# Altium PCB Fri3D_2020_GameOn_01.PcbDoc
Units mm, origin at the board's own origin, x right, y up, seen from the top; angles counter-clockwise.
Board outline 90 x 50 mm, 2 copper layers (Top Layer, Bottom Layer), stack 1.571 mm thick; 33 components, 31 nets, 188 pads, 26 vias.
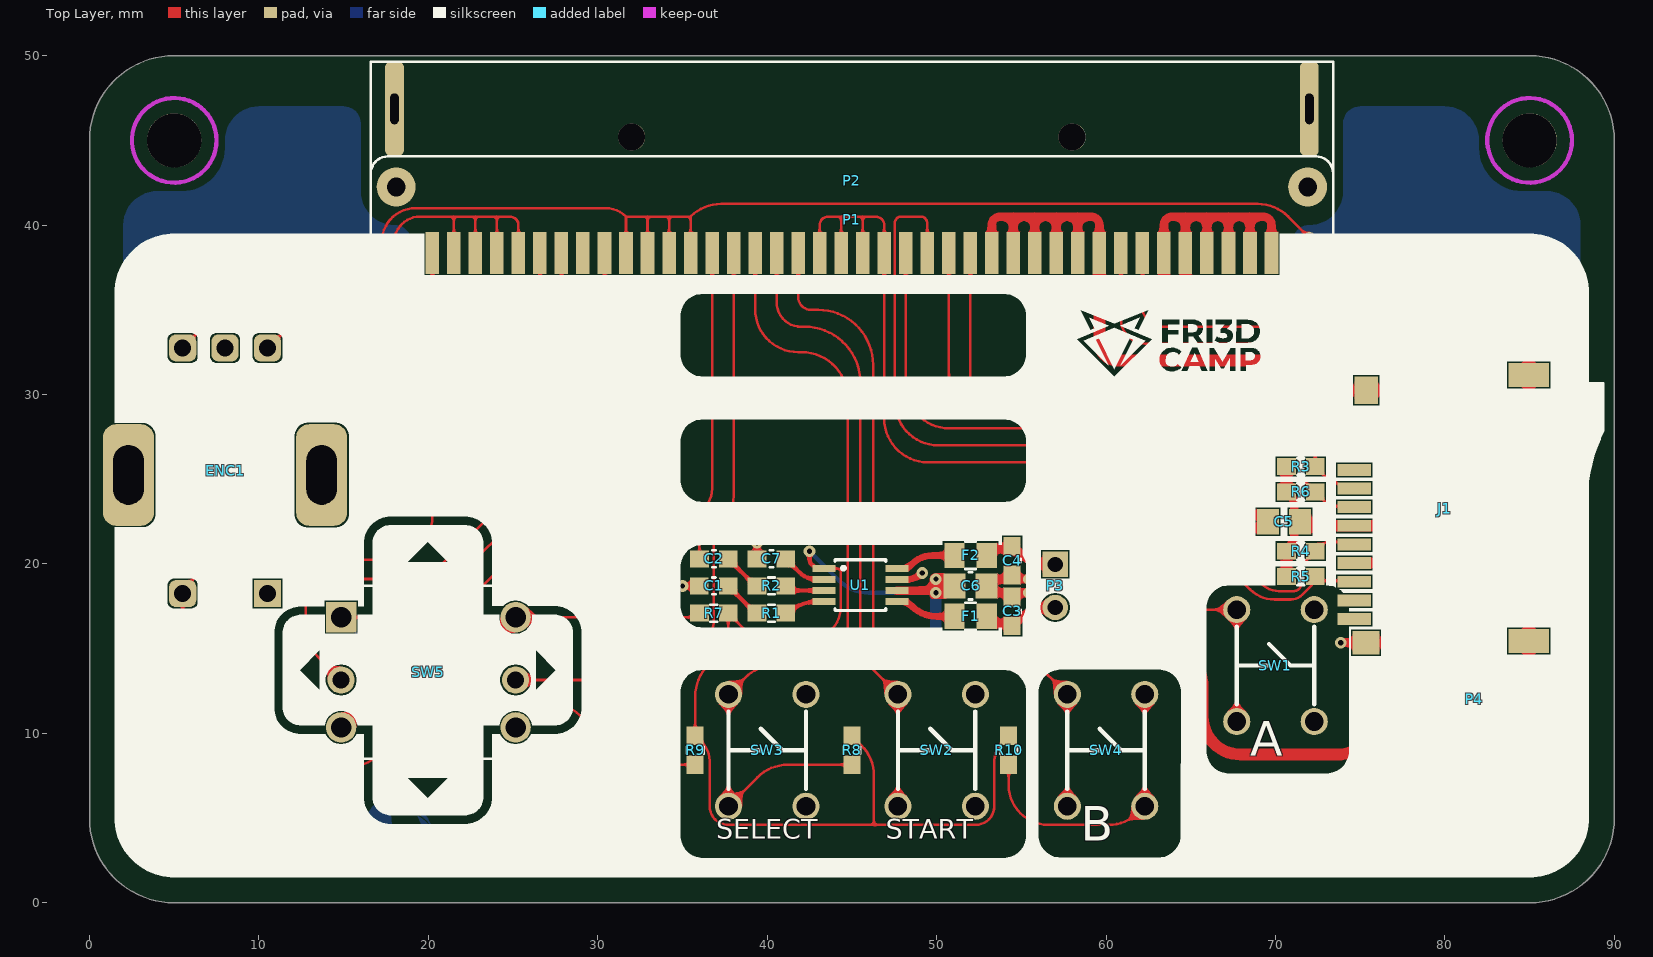
[diagram p0: Top Layer view]
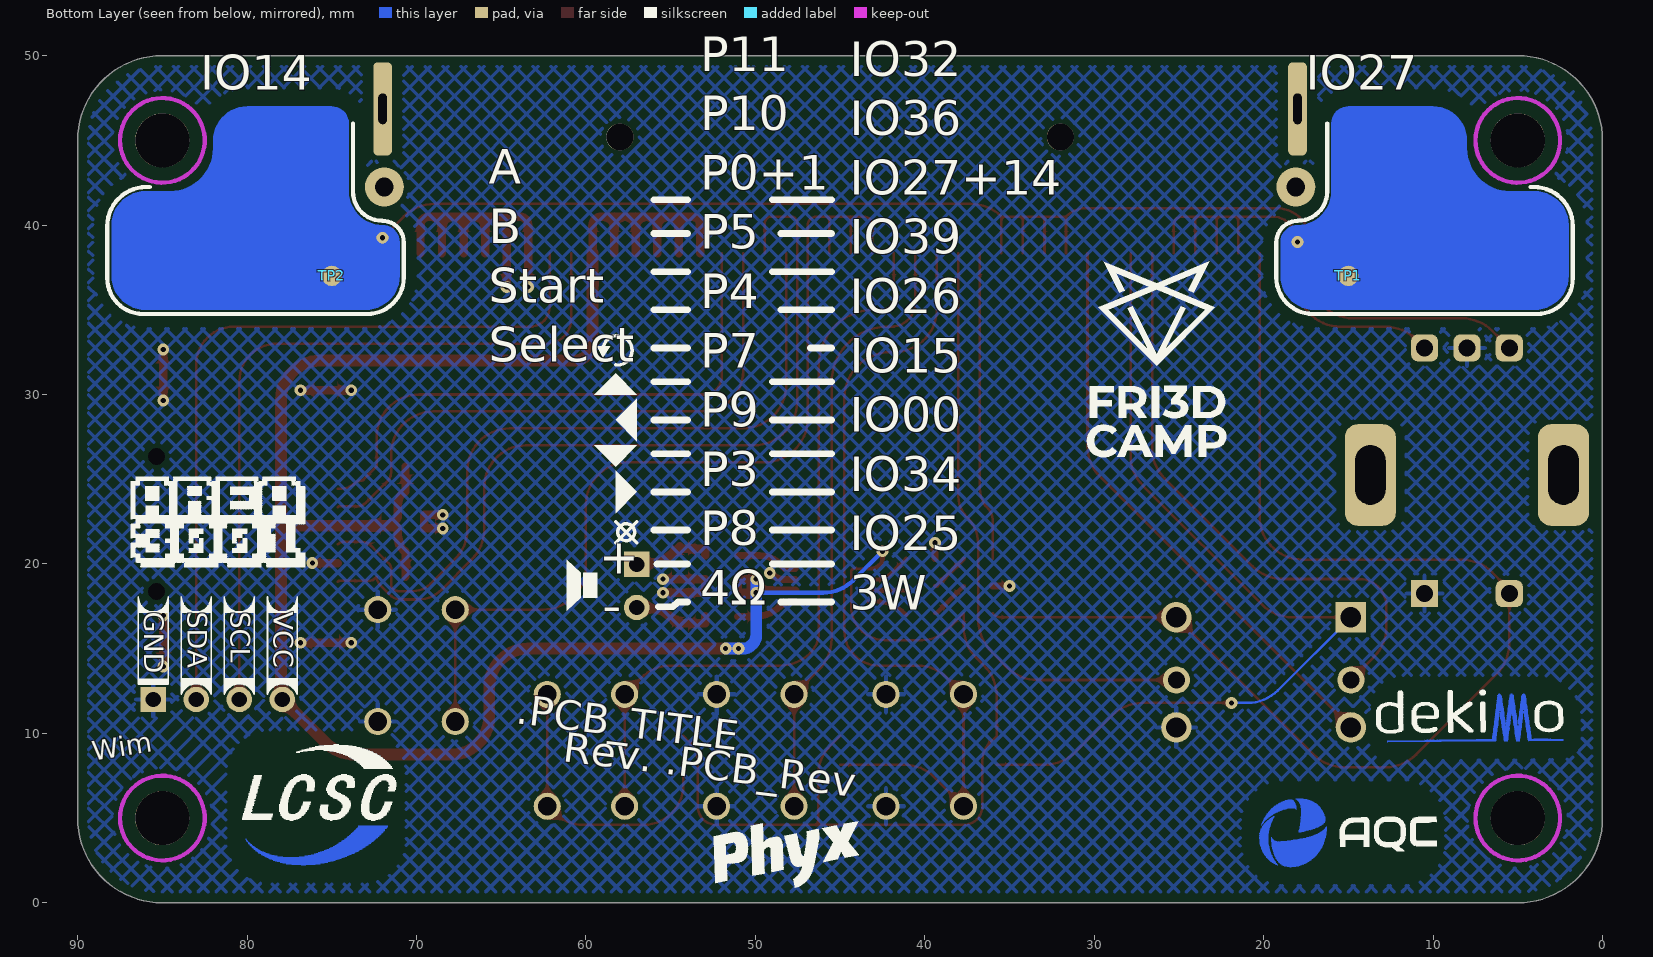
[diagram p1: Bottom Layer view, seen from below]
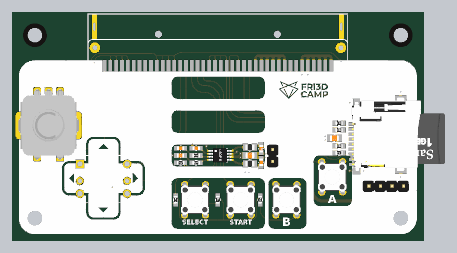
[diagram p2: 3D render of the assembled board from above, using the file's embedded part models]

## Layer stack, top to bottom
Top Solder: solder mask 0.0102, Solder Resist, Dk 3.5
Top Layer: signal copper 0.0356
Dielectric1: core 1.5, FR-4, Dk 4.8
Bottom Layer: signal copper 0.0356
Bottom Solder: solder mask 0.0102, Solder Resist, Dk 3.5

## Board outline
0,5 0,45 cw(c5,45) 5,50 85,50 cw(c85,45) 90,45 90,5 cw(c85,5) 85,0 5,0 cw(c5,5)

## Design rules (kind name [scope] priority, off if disabled: settings)
BoardOutlineClearance [NOT OnLayer('Top Overlay') AND NOT OnLayer('Bottom Overlay') AND NOT IsText AND NOT WithinRoom('Fri3d_2020_Time_Blaster_00')] p1: gap=0.5 ignorepadtopadclearanceinfootprint=FALSE except(0: Arc-SplitContinuation Track-SplitContinuation SMDPad-SplitContinuation THPad-SplitContinuation Via-SplitContinuation Fill-SplitContinuation Poly-SplitContinuation Region-SplitContinuation Text-SplitContinuation; 0.3: SMDPad-OutlineEdge; 0.4: THPad-OutlineEdge)
Clearance [All] p1: gap=0.15 ignorepadtopadclearanceinfootprint=FALSE except(0: Arc-Hole Track-Hole SMDPad-Hole THPad-Hole Via-Hole Fill-Hole Poly-Hole Region-Hole Text-Hole; 0.25: Arc-Poly Track-Poly SMDPad-Poly THPad-Poly Via-Poly Fill-Poly; 1: Poly-Region; 1.1: Poly-Poly)
ComponentClearance ComponentClearance_TP [HasFootprint('TP_2x3mm')] p1: gap=0 collisioncheckmode=3 verticalgap=0 showdistances=FALSE
ComponentClearance [All] p2: gap=0.25 collisioncheckmode=3 verticalgap=0.25 showdistances=FALSE
Height [All] p1: minheight=0 maxheight=100 prefheight=12.7
HoleSize [All] p1: absolutevalues=TRUE maxlimit=10 minlimit=0.025 maxpercent=80.000 minpercent=20.000
PolygonConnect PolygonConnect_VIA [IsVia] p1: connectstyle=Direct reliefconductorwidth=0.254 reliefentries=4 polygonreliefangle="90 Angle" airgapwidth=0.254
PolygonConnect [All] p2: connectstyle=Relief reliefconductorwidth=0.254 reliefentries=4 polygonreliefangle="90 Angle" airgapwidth=0.254
RoutingVias [All] p1: holewidth=0.3 width=0.7 viastyle="Through Hole" minholewidth=0.3 minwidth=0.2 maxholewidth=0.6 maxwidth=1.2
SilkToSolderMaskClearance SilkscreenOverComponentPads [IsPad] p1: minsilkscreentomaskgap=0.25 clearancetoexposedcopper=TRUE
SolderMaskExpansion [All] p1: expansion=0.05 istentingtop=FALSE
Width [All] p1: maxlimit=5 minlimit=0.15 preferedwidth=0.25
26 further rules are at their usual default settings.

## Classes and differential pairs
net class POWER: 3V3_AUX GND

## Components (designator, comment, footprint, x,y, rotation, side; value= is the part's Value field where it differs from the comment)
C1 "CAP_CERAMIC" C0603_N 36.847,18.7 r180 top value="100nF 50V"
C2 "CAP_CERAMIC" C0603_N 36.85,20.3 r180 top value="100nF 50V"
C3 "CAP_CERAMIC" C0603_N 54.45,17.2 r90 top value="1nF 16V"
C4 "CAP_CERAMIC" C0603_N 54.45,20.2 r270 top value="1nF 16V"
C5 "CAP_CERAMIC" C0805_N 70.5,22.5 r180 top value="10uF 10V"
C6 "CAP_CERAMIC" C0805_N 52,18.7 r0 top value="10uF 10V"
C7 "CAP_CERAMIC" C0603_N 40.25,20.3 r180 top value="1uF 50V"
ENC1 "Rotary Encoder with Switch" PEC11-4215F-S0024 8,25.25 r180 top value=PEC11-4215F-S0024
F1 "FERRITE" L0805 52,16.9 r0 top value="2A 0R1"
F2 "FERRITE" L0805 52,20.5 r0 top value="2A 0R1"
J1 "Micro SD PiPo Push-Push" TFP09-2-12B 80,23.25 r90 top value=TFP09-2-12B
P1 "MicroBit 90deg connector Cylconn" MicroBIT_CYLCONN_SMD_90 20.235,38.35 r0 top
P2 "MicroBit 180deg connector Cylconn" MicroBIT_CYLCONN_SMD_180 20.235,38.35 r0 top
P3 "Header 2" HDR1X2 57,19.97 r270 top
P4 "Header 4" HDR1X4 85.54,12 r180 top
R1 "RESISTOR" R0603_N 40.25,17.1 r0 top value=10K
R2 "RESISTOR" R0603_N 40.25,18.7 r0 top value=10K
R3 "RESISTOR" R0603_N 71.5,25.75 r0 top value=10K
R4 "RESISTOR" R0603_N 71.5,20.75 r0 top value=10K
R5 "RESISTOR" R0603_N 71.5,19.25 r0 top value=10K
R6 "RESISTOR" R0603_N 71.5,24.25 r0 top value=10K
R7 "RESISTOR" R0603_N 36.85,17.1 r180 top value=10K
R8 "RESISTOR" R0603_N 45,9 r270 top value=10K
R9 "RESISTOR" R0603_N 35.75,9 r270 top value=10K
R10 "RESISTOR" R0603_N 54.25,9 r270 top value=10K
SW1 "Default TH TACT" TACTSW 70,14 r0 top
SW2 "Default TH TACT" TACTSW 50,9 r0 top
SW3 "Default TH TACT" TACTSW 40,9 r0 top
SW4 "Default TH TACT" TACTSW 60,9 r0 top
SW5 "5Way Tact switch" TACTSW_5W_K1-1506DN-01 20,13.6 r0 top value=K1-1506DN-01
TP1 "TEST_PAD" TP_1.2mm 15,37 r180 bottom value="NO BOM"
TP2 "TEST_PAD" TP_1.2mm 75,37 r180 bottom value="NO BOM"
U1 "5W Class D mono amplifier inducter-less Differential input MSOP8" MAX_uSOP8 45.5,18.75 r0 top value=NS4150B

## Footprints (in the part's own frame and the unit in brackets; to place one, negate y for a bottom-side part, rotate by r counter-clockwise, add the part's x,y. Pads: shape width x height; smd on the part's side, far side on the other; paste and mask are expansions set on the pad)
C0603_N [mm] "Low density"
  rect 1.1x1 smd: 1(-0.85,0) 2(0.85,0)
  silkscreen extent -0.1,-0.5 0.1,0.5, body extent -0.8,-0.4 0.8,0.4, height 0.3
C0805_N [mm] "Low density"
  rect 1.3x1.5 smd: 1(-0.95,0) 2(0.95,0)
  silkscreen extent -0.1,-0.8 0.1,0.8, body extent -1,-0.62 1,0.63, height 0.78
HDR1X2 [mm] "Connector; Header; 2 Position"
  rect 1.5x1.5 hole 0.9: 1(0,0)
  round 1.5 hole 0.9: 2(2.54,0)
  body extent -1.17,-1.25 3.91,1.25, height 8.2
HDR1X4 [mm] "Connector; Header; 4 Position"
  rect 1.5x1.5 hole 0.9: 1(0,0)
  round 1.5 hole 0.9: 2(2.54,0) 3(5.08,0) 4(7.62,0)
  body extent -1.27,-1.23 8.89,1.27, height 8.2
L0805 [mm]
  rect 1.2x1.5 smd: 1(-0.95,0) 2(0.95,0)
  silkscreen extent -0.3,-0.8 0.3,0.8, body extent -1,-0.6 1,0.6, height 0.95
MAX_uSOP8 [mm]
  rect 1.35x0.4 smd paste-5: 1(-2.15,0.975) 2(-2.15,0.325) 3(-2.15,-0.325) 4(-2.15,-0.975) 5(2.15,-0.975) 6(2.15,-0.325) 7(2.15,0.325) 8(2.15,0.975)
  silkscreen extent -1.5,-1.5 1.5,1.5, body extent -2.52,-1.55 2.52,1.55, height 1.1
MicroBIT_CYLCONN_SMD_90 [mm]
  rect 0.8x2.5 smd: 1(0,0) 2(1.27,0) 3(2.54,0) 4(3.81,0) 5(5.08,0) 6(6.35,0) 7(7.62,0) 8(8.89,0) 9(10.16,0) 10(11.43,0) 11(12.7,0) 12(13.97,0) 13(15.24,0) 14(16.51,0) 15(17.78,0) 16(19.05,0) 17(20.32,0) 18(21.59,0) 19(22.86,0) 20(24.13,0) 21(25.4,0) 22(26.67,0) 23(27.94,0) 24(29.21,0) 25(30.48,0) 26(31.75,0) 27(33.02,0) 28(34.29,0) 29(35.56,0) 30(36.83,0) 31(38.1,0) 32(39.37,0) 33(40.64,0) 34(41.91,0) 35(43.18,0) 36(44.45,0) 37(45.72,0) 38(46.99,0) 39(48.26,0) 40(49.53,0)
  round 2.3 hole 1.1: M1(51.665,3.9) M2(-2.135,3.9)
  silkscreen extent -3.63,-1.04 53.17,5.7, body extent -3.63,-0.3 53.17,5.7, height 10.6
MicroBIT_CYLCONN_SMD_180 [mm]
  round 1.6 hole 1.6 unplated: 0(11.765,6.85) 0(37.765,6.85)
  rect 0.8x2.5 smd: 1(0,0) 2(1.27,0) 3(2.54,0) 4(3.81,0) 5(5.08,0) 6(6.35,0) 7(7.62,0) 8(8.89,0) 9(10.16,0) 10(11.43,0) 11(12.7,0) 12(13.97,0) 13(15.24,0) 14(16.51,0) 15(17.78,0) 16(19.05,0) 17(20.32,0) 18(21.59,0) 19(22.86,0) 20(24.13,0) 21(25.4,0) 22(26.67,0) 23(27.94,0) 24(29.21,0) 25(30.48,0) 26(31.75,0) 27(33.02,0) 28(34.29,0) 29(35.56,0) 30(36.83,0) 31(38.1,0) 32(39.37,0) 33(40.64,0) 34(41.91,0) 35(43.18,0) 36(44.45,0) 37(45.72,0) 38(46.99,0) 39(48.26,0) 40(49.53,0)
  rrect50% 1.1x5.5 hole 0.5 slot 1.8 at 90 deg: M1(51.765,8.51) M2(-2.235,8.51)
  silkscreen extent -3.63,-1.04 53.17,11.3, body extent -3.63,0.7 53.17,11.3, height 10.2
PEC11-4215F-S0024 [mm] "PEC11-4215F-S0024"
  rect 1.6x1.6 hole 1: 1(-2.5,7)
  rrect50% 1.6x1.6 hole 1: 2(2.5,7) A(-2.5,-7.5) B(2.5,-7.5) C(0,-7.5)
  rrect50% 3x6 hole 1.8 slot 3.5 at 90 deg: MH1(-5.7,0) MH2(5.7,0)
  body extent -7,-7.7 7,7.2, height 26.6
R0603_N [mm] "Low density"
  rect 1.1x1 smd: 1(-0.85,0) 2(0.85,0)
  silkscreen extent -0.2,-0.5 0.2,0.5, body extent -0.8,-0.41 0.8,0.41, height 0.45
TACTSW [mm]
  round 1.6 hole 1.1: 1(-2.286,-3.302) 1(-2.286,3.302) 2(2.286,-3.302) 2(2.286,3.302)
  silkscreen extent -2.29,-2.29 2.29,2.29, body extent -3.1,-3.95 3.1,3.95, height 4.31
TACTSW_5W_K1-1506DN-01 [mm] "5W TH TACT SW"
  rect 1.8x1.8 hole 1.2: 1(-5.15,3.25)
  round 1.6 hole 1: 2(-5.15,-0.45) 5(5.15,-0.45)
  round 1.8 hole 1.2: 3(-5.15,-3.25) 4(5.15,-3.25) 6(5.15,3.25)
  silkscreen extent -5.1,-5.1 5.1,5.1, body extent -5.1,-5.1 5.1,5.1, height 10
TFP09-2-12B [mm] "tfp09-2-12b"
  round 0 hole 1 unplated: 0(-4.88,-5.35) 0(3.1,-5.35)
  rect 0.7x2 smd: 1(2.3,5.35) 2(1.2,5.35) 3(0.1,5.35) 4(-1,5.35) 5(-2.1,5.35) 6(-3.2,5.35) 7(-4.3,5.35) 8(-5.4,5.35) 9(-6.5,5.35)
  rect 1.4x1.6 smd: G1(-7.9,4.65)
  rect 1.4x2.4 smd: G2(-7.8,-4.95) G3(7.9,-4.95)
  rect 1.6x1.4 smd: G4(7,4.65)
  silkscreen extent -7.3,-9.35 7.4,5.15, body extent -7.92,-14.65 8.08,5.9, height 1.95
TP_1.2mm [mm] "1.2mm pad"
  round 1.2 smd mask+0.05: 1(0,0)

## Part data
C1 C2: library part "CAP # 100nF 50V 0603", "Capacitor Ceramic", Supplier Part Number 1=1759122, Supplier 1=Farnell
C3 C4: library part "CAP # 1nF 16V 0603", "Capacitor Ceramic"
C5 C6: library part "CAP # 10uF 10V 0805", "Capacitor Ceramic", Supplier Part Number 1=2320859, Supplier 1=Farnell
C7: library part "CAP # 1uF 50V 0603", "Capacitor Ceramic", Supplier Part Number 1=2112858, Supplier 1=Farnell
ENC1: library part "ENC ROT INC 24-24ppr SW", Supplier Part Number 1=1653380, Supplier 1=Farnell
F1 F2: library part "FER # 600R 2A 0805 0R10", Supplier Part Number 1=1838838, Supplier 1=Farnell
J1: library part "MicroSD TFP09-2-12B Push-Push", "=Description", Supplier Part Number 1=C393941, Supplier 1=LCSC
P1: library part "MicroBit # RA Cylconn", Supplier 1=TaoBao
P2: library part "MicroBit # Cylconn", Supplier 1=TaoBao
P3: library part "Pin Header 2.54mm 2way"
P4: library part "Pin Header 2.54mm 4way"
R1 R2 R3 R4 R5 R6 R7 R8 R9 R10: library part "RES # 10K 0603", Supplier Part Number 1=2502397, Supplier 1=Farnell
SW1 SW2 SW3 SW4: library part "SW TACT"
SW5: library part "SW TACT 5W K1-1506DN-01", Supplier Part Number 1=C145911, Supplier 1=LCSC
TP1 TP2: library part "TP # 1.2mm"
U1: library part "AMP # AUDIO NS4150B", "=Description", Supplier Part Number 1=C189961, Supplier 1=LCSC

## Free pads (board coordinates)
  round 3.2 hole 3.2 unplated mask+1: 11(5,45) 11(5,5) 11(85,5) 11(85,45)

## Via types
v1: diameter 0.7, hole 0.3, Top Layer to Bottom Layer, tented top, 26 vias

## Nets (pads, with @x,y where several pads share a name; then routed paths per layer and width w, separated by ;. In a path a pad name is that pad's centre, name@x,y a point inside that pad or via, vN(x,y) a via of type N, cw(c..) or ccw(c..) an arc to the next point about the centre after c; other vN are vias at no path point)
3V3_AUX: C5.1 C6.1 J1.4 P1.27 P1.28 P1.29 P1.30 P1.31 P1.32 P2.27 P2.28 P2.29 P2.30 P2.31 P2.32 P4.4 R3.1 R4.1 R5.1 R6.1 R7.1 R8.1 R9.1 R10.1 U1.1 U1.6 | length 181.4
  Top Layer w0.15: U1.1 44.139,19.725 cw(c44.139,19.514) 44.35,19.514 44.35,17.5 cw(c42.35,17.5) 42.35,15.5 40.152,15.5 cw(c40.152,17.557) 38.697,16.102 R7.1 37.7,16.252 cw(c35.16,16.252) 36.956,14.456 36.494,13.994 ccw(c38.29,12.198) 35.75,12.198 R9.1 36.176,9.424 cw(c35.151,8.4) 36.6,8.4 36.6,5.7 ccw(c37.7,5.7) 37.7,4.6 46.3,4.6 ; R8.1 45.556,9.294 cw(c43.76,7.498) 46.3,7.498 46.3,4.6 ; R10.1 53.93,9.53 ccw(c55.21,8.25) 53.4,8.25 53.4,5.693 cw(c52.307,5.693) 52.307,4.6 46.3,4.6
  Top Layer w0.25: v1(42.5,20.75) 42.5,20.261 ccw(c42.908,20.261) 42.619,19.972 ccw(c43.216,20.569) 43.216,19.725 U1.1
  Top Layer w0.5: U1.6 49.771,18.425 49.896,18.3 v1(49.95,18.3) 51.05,18.3 C6.1 51.05,19.1 v1(49.95,19.1) ; P2.27 53.255,40.005 cw(c53.75,40.005) 53.75,40.5 54.525,40.5 ; P2.28 54.525,40.5 ; P2.29 55.795,40.5 ; P2.30 57.065,40.5 ; P2.31 58.335,40.5 ; P2.32 59.605,40.005 ccw(c59.11,40.005) 59.11,40.5 58.335,40.5 ; R5.1 R4.1 70.748,20.79 ccw(c69.897,21.641) 71.1,21.641 71.1,22 cw(c71.462,22) 71.206,22.256 C5.1 ; R3.1 R6.1 70.811,24.183 cw(c70.113,23.486) 71.1,23.486 71.1,22.85 ccw(c71.45,22.85) C5.1 ; C5.1@71.45,22.25 C5.1 ; P4.4 ccw(c77.92,12.08) P4.4@78,12.08 ; 54.525,40.5 55.795,40.5 ; 55.795,40.5 57.065,40.5 ; 57.065,40.5 58.335,40.5
  Top Layer w0.7: v1(51,15) v1(51.75,15) 60.04,15 ; P2.32 59.605,33.097 ccw(c60.702,33.097) 60.702,32 75.702,32 cw(c75.702,29.702) 78,29.702 78,22.25 ; 60.043,15 60.04,15 ; C5.1@71.45,22.25 J1.4 78,22.25 ; P4.4 75.414,9.494 cw(c73.618,11.29) 73.618,8.75 69.21,8.75 69.207,8.75 cw(c69.207,12.268) 69.203,8.75 67.942,8.75 cw(c67.942,10.987) 65.705,10.987 65.705,12.72 ccw(c63.425,12.72) 63.425,15 60.04,15 ; P4.4@78,12.08 78,22.25
  Bottom Layer w0.25: v1(42.5,20.75) 44.206,19.044 ccw(c46.002,20.84) 46.002,18.3 v1(49.95,18.3)
  Bottom Layer w0.7: v1(49.95,19.1) v1(49.95,18.3) 49.95,15.8 ccw(c50.75,15.8) 50.75,15 v1(51,15) v1(51.75,15)
Audio_N: R1.2 U1.4 | length 2.5
  Top Layer w0.25: R1.2@41.1,17 41.131,17.031 cw(c42.927,15.235) 42.927,17.775 U1.4
Audio_P: R2.2 U1.3 | length 2.3
  Top Layer w0.25: R2.2@41.1,18.5 41.175,18.425 U1.3
ESP.IO0: P1.15 P2.15 SW5.5 | length 35.5
  Top Layer w0.15: SW5.5 33.348,13.15 ccw(c33.348,15.69) 35.144,13.894 36.006,14.756 ccw(c33.977,16.785) 36.847,16.785 36.847,21.181 cw(c39.057,21.181) 37.494,22.744 37.5,22.75 ccw(c36.257,23.993) 38.015,23.993 P2.15
ESP.IO2: P1.8 P2.8
ESP.IO4: J1.2 P1.26 P2.26 R3.2 | length 34.2
  Top Layer w0.15: P2.26 51.985,31.078 51.985,31.076 ccw(c53.039,31.054) 53.039,30 69.849,30 cw(c69.849,27.499) 72.35,27.499 R3.2 73.13,24.971 ccw(c73.3,25.141) 73.3,24.9 73.359,24.9 cw(c73.359,24.559) 73.6,24.8 ccw(c74.445,25.645) 74.445,24.45 J1.2
ESP.IO12: P1.18 P2.18 SW4.1 | length 44.8
  Top Layer w0.15: P2.18 41.825,35.754 ccw(c42.579,35.754) 42.579,35 43,35 cw(c43,31.75) 46.25,31.75 46.25,15.966 ccw(c47.978,15.966) 46.756,14.744 ccw(c48.552,16.54) 48.552,14 54.964,14 cw(c54.964,11.46) 56.76,13.256 57.714,12.302 SW4.1@57.714,5.698
ESP.IO13: P1.19 P1.20 P1.21 P1.22 P2.19 P2.20 P2.21 P2.22 SW1.1 | length 57.2
  Top Layer w0.15: P2.19 43.095,40.005 cw(c43.59,40.005) 43.59,40.5 44.365,40.5 ; P2.20 44.365,40.5 ; P2.21 45.635,40.5 ; SW1.1@67.714,10.698 67.714,17.302 62.54,17.302 cw(c62.54,19.842) 60,19.842 60,23.499 ccw(c57.499,23.499) 57.499,26 49.484,26 cw(c49.484,28.579) 46.905,28.579 P2.22 46.905,40.005 ccw(c46.41,40.005) 46.41,40.5 45.635,40.5 ; 44.365,40.5 45.635,40.5
ESP.IO14: ENC1.B P1.10 P1.11 P1.12 P1.13 P2.10 P2.11 P2.12 P2.13 TP2.1 | length 81.3
  Top Layer w0.15: ENC1.B 6.506,33.756 cw(c8.302,31.96) 8.302,34.5 14.71,34.5 ccw(c14.71,37.04) 17.25,37.04 17.25,39 cw(c19.25,39) 19.25,41 30.458,41 cw(c30.458,39.293) 31.665,40.5 ; P2.10 31.665,40.5 ; P2.11 32.935,40.5 ; P2.12 34.205,40.5 ; P2.13 35.475,40.5 ; v1(72,39.25) 70.744,40.506 ccw(c68.948,38.71) 68.948,41.25 37.277,41.25 ccw(c37.277,38.71) 35.481,40.506 35.475,40.5 ; 31.665,40.5 32.935,40.5 ; 32.935,40.5 34.205,40.5 ; 34.205,40.5 35.475,40.5
ESP.IO15: P1.9 P2.9 SW5.3 | length 34.3
  Top Layer w0.15: SW5.3 29.651,25.151 ccw(c27.855,26.947) 30.395,26.947 P2.9
ESP.IO25: C2.2 P1.14 P2.14 | length 18.2
  Top Layer w0.15: C2.2 36,22.647 cw(c36.853,22.647) 36.25,23.25 ccw(c35.055,24.445) 36.745,24.445 P2.14
ESP.IO26: P1.6 P2.6 SW5.2 | length 35
  Top Layer w0.15: SW5.2 13.494,14.506 cw(c15.29,16.302) 12.75,16.302 12.75,17.5 cw(c14.361,17.5) 14.361,19.111 18.853,19.111 ccw(c18.853,21.651) 20.649,19.855 25.841,25.047 ccw(c24.045,26.843) 26.585,26.843 P2.6
ESP.IO27: ENC1.A P1.2 P1.3 P1.4 P1.5 P2.2 P2.3 P2.4 P2.5 TP1.1 | length 28.4
  Top Layer w0.15: ENC1.A 11.006,33.256 cw(c12.802,31.46) 12.802,34 15.46,34 ccw(c15.46,36.54) 18,36.54 v1(18,39) cw(c19.5,39) 19.5,40.5 22.775,40.5 ; P2.2 21.505,40.5 ; P2.3 22.775,40.5 ; P2.4 24.045,40.5 ; P2.5 25.315,40.005 ccw(c24.82,40.005) 24.82,40.5 24.045,40.5 ; 22.775,40.5 24.045,40.5
ESP.IO32: P1.17 P2.17 SW2.1 | length 36.4
  Top Layer w0.15: P2.17 40.555,35.445 ccw(c42,35.445) 42,34 42.21,34 cw(c42.21,30.71) 45.5,30.71 45.5,15.568 ccw(c48.04,15.568) 46.244,13.772 47.714,12.302 SW2.1@47.714,5.698
ESP.IO34: ENC1.2 P1.1 P2.1 R7.2 SW5.6 | length 73.1
  Top Layer w0.15: P2.1 20.235,22.79 cw(c17.695,22.79) 17.695,20.25 8.302,20.25 ccw(c8.302,17.71) 6.506,19.506 5.5,18.5 ENC1.2 5.5,15.302 ccw(c8.04,15.302) 6.244,13.506 11.006,8.744 ccw(c12.802,10.54) 12.802,8 15.248,8 ccw(c15.248,10.54) 17.044,8.744 SW5.6 35.538,16.85 ccw(c35.538,17.362) 35.9,17 R7.2
ESP.IO36: P1.16 P2.16 R8.2 SW3.1 | length 49.1
  Top Layer w0.15: P2.16 39.285,35.04 ccw(c41.825,35.04) 41.825,32.5 42.029,32.5 cw(c42.029,29.779) 44.75,29.779 44.75,16.05 cw(c42.7,16.05) 42.7,14 40.432,14 ccw(c40.432,11.538) 38.691,13.279 37.714,12.302 37.714,5.698 39.422,7.406 cw(c41.218,5.61) 41.218,8.15 R8.2
ESP.IO39: P1.7 P2.7 R9.2 SW5.1 | length 53.5
  Top Layer w0.15: SW5.1 18.298,16.85 ccw(c18.298,19.39) 20.094,17.594 27.111,24.611 ccw(c25.315,26.407) 27.855,26.407 P2.7 ; v1(21.9,11.8) 27.148,11.8 cw(c27.148,9.26) 28.944,11.056 31.106,8.894 ccw(c32.902,10.69) 32.902,8.15 R9.2
  Bottom Layer w0.15: SW5.1 19.156,12.544 ccw(c20.952,14.34) 20.952,11.8 v1(21.9,11.8)
GND: C1.2 C3.2 C4.2 C5.2 C6.2 C7.2 ENC1.1 ENC1.C J1.6 J1.G1 J1.G2 J1.G3 J1.G4 P1.35 P1.36 P1.37 P1.38 P1.39 P1.40 P2.35 P2.36 P2.37 P2.38 P2.39 P2.40 P4.1 SW1.2 SW2.2 SW3.2 SW5.4 U1.7 | length 48.7
  Top Layer w0.4: v1(35,18.7) C1.2 ; C7.2 v1(39.4,21.25) ; U1.7 48.184,19.075 ccw(c48.184,20.441) v1(49.15,19.475)
  Top Layer w0.5: v1(55.45,18.3) 52.95,18.3 C6.2 52.95,19.1 v1(55.45,19.1) ; v1(63.415,36.35) P2.35 63.415,40.005 cw(c63.91,40.005) 63.91,40.5 64.685,40.5 ; v1(64.685,36.35) P2.36 64.685,40.5 ; P2.37 65.955,40.5 ; P2.38 67.225,40.5 ; v1(68.45,22.1) 69.55,22.1 C5.2 69.55,22.9 v1(68.45,22.9) ; P2.39 68.495,40.5 ; P2.40 69.765,40.005 ccw(c69.27,40.005) 69.27,40.5 68.495,40.5 ; v1(73.85,15.35) J1.G1 v1(76.85,15.35) ; v1(73.85,30.25) J1.G4 v1(76.85,30.25) ; J1.6 v1(76.15,20.05) ; v1(84.95,13.95) J1.G2 v1(84.95,16.95) ; v1(84.95,29.65) J1.G3 v1(84.95,32.65) ; 64.685,40.5 65.955,40.5 ; 65.955,40.5 67.225,40.5 ; 67.225,40.5 68.495,40.5
I2C.SCL: P1.33 P2.33 P4.3 | length 44.4
  Top Layer w0.15: P2.33 60.875,34.442 ccw(c62.317,34.442) 62.317,33 78.237,33 cw(c78.237,30.777) 80.46,30.777 P4.3
I2C.SDA: P1.34 P2.34 P4.2 | length 45.7
  Top Layer w0.15: P2.34 62.145,35.172 ccw(c63.317,35.172) 63.317,34 80.777,34 cw(c80.777,31.777) 83,31.777 P4.2
NetC1_1: C1.1 R1.1 | length 2.4
  Top Layer w0.25: C1.1 39.297,17.1 R1.1
NetC2_1: C2.1 R2.1 | length 2.4
  Top Layer w0.25: C2.1 39.3,18.7 R2.1
NetC7_1: C7.1 U1.2 | length 2.7
  Top Layer w0.25: C7.1 41.9,19.5 ccw(c42.926,20.527) 42.926,19.075 U1.2
NetR10_2: R10.2 SW4.2 | length 17.5
  Top Layer w0.15: R10.2 54.25,6.95 ccw(c56.6,6.95) 56.6,4.6 60.136,4.6 ccw(c60.136,7.14) 61.932,5.344 62.286,5.698 SW4.2@62.286,12.302
SD.CLK: J1.5 P1.23 P2.23 R4.2 | length 44.4
  Top Layer w0.15: P2.23 48.175,30.579 ccw(c50.754,30.579) 50.754,28 64.499,28 cw(c64.499,25.499) 67,25.499 67,22.052 ccw(c69.54,22.052) 67.744,20.256 69.176,18.824 ccw(c70.2,19.849) 70.2,18.4 71.1,18.4 ccw(c71.1,18.8) 71.5,18.8 71.5,19.7 cw(c71.983,19.7) 71.641,20.041 R4.2 72.688,21.088 cw(c73.2,20.576) 73.2,21.3 74.288,21.3 cw(c74.288,20.788) J1.5
SD.DI: J1.3 P1.25 P2.25 R6.2 | length 35.7
  Top Layer w0.15: P2.25 50.715,31.385 ccw(c53.1,31.385) 53.1,29 68.999,29 cw(c68.999,26.499) 71.5,26.499 71.5,25.4 ccw(c72.224,25.4) 71.712,24.888 R6.2 72.988,23.612 ccw(c73.5,24.124) 73.5,23.4 74.529,23.4 cw(c74.529,23.229) J1.3
SD.DO: J1.7 P1.24 P2.24 R5.2 | length 50
  Top Layer w0.15: P2.24 49.445,40.105 ccw(c49.05,40.105) 49.05,40.5 47.9,40.5 ccw(c47.9,40.134) 47.534,40.134 47.534,29.579 ccw(c50.112,29.579) 50.112,27 63.539,27 cw(c63.539,24.539) 66,24.539 66,22.052 ccw(c68.54,22.052) 66.744,20.256 68.5,18.5 ccw(c69.949,19.949) 69.949,17.9 70.9,17.9 ccw(c70.9,18.866) 71.583,18.183 72.138,18.738 ccw(c71.626,19.25) R5.2 72.459,19.141 ccw(c72.8,19.482) 72.8,19 74.529,19 cw(c74.529,18.829) J1.7
SPK_N: C3.1 F1.2 P3.2 | length 4.9
  Top Layer w0.5: F1.2 52.95,16.5 54.45,16.5 C3.1 54.786,16.686 cw(c56.582,14.89) 56.582,17.43 P3.2
SPK_P: C4.1 F2.2 P3.1 | length 4.9
  Top Layer w0.5: F2.2 52.95,20.9 54.45,20.9 C4.1 54.786,20.714 ccw(c56.582,22.51) 56.582,19.97 P3.1
Vo_N: F1.1 U1.5 | length 3.6
  Top Layer w0.4: U1.5 47.886,17.775 cw(c47.886,16.836) 48.55,17.5 ccw(c49.999,18.949) 49.999,16.9 F1.1
Vo_P: F2.1 U1.8 | length 3.6
  Top Layer w0.4: U1.8 47.886,19.725 ccw(c47.886,20.664) 48.55,20 cw(c49.757,18.793) 49.757,20.5 F2.1
pads on no net: ENC1.MH1 ENC1.MH2 J1.0 J1.1 J1.8 J1.9 P1.M1 P1.M2 P2.0 P2.M1 P2.M2

## Polygon pours and split planes (outlines as drawn)
no net on Top Overlay "NONET_L-01_P-001" (solid): 16.708,6.235 16.708,10.468 12.474,10.468 cw(c12.474,11.526) 11.726,10.778 cw(c12.474,11.526) 11.416,11.526 11.416,15.936 cw(c12.474,15.936) 11.726,16.685 cw(c12.474,15.936) 12.474,16.995 16.708,16.995 16.708,21.228 cw(c17.766,21.228) 17.018,21.976 cw(c17.766,21.228) 17.766,22.286 22.176,22.286 cw(c22.176,21.228) 22.924,21.976 cw(c22.176,21.228) 23.234,21.228 23.234,16.995 27.467,16.995 cw(c27.467,15.936) 28.216,16.685 cw(c27.467,15.936) 28.526,15.936 28.526,11.526 cw(c27.467,11.526) 28.216,10.778 cw(c27.467,11.526) 27.467,10.468 23.234,10.468 23.234,6.235 cw(c22.176,6.235) 22.924,5.486 cw(c22.176,6.235) 22.176,5.176 17.766,5.176 cw(c17.766,6.235) 17.018,5.486 cw(c17.766,6.235)
no net on Top Overlay "NONET_L-01_P-001" (solid): 1.5,36 cw(c5,36) 5,39.5 85,39.5 cw(c85,36) 88.5,36 88.5,5 cw(c85,5) 85,1.5 5,1.5 cw(c5,5) 1.5,5 1.5,9.5
GND on Bottom Layer "NONET_L-01_P-001" (hatched 45Degree grid 0.75 track 0.2, remove dead copper, pour order 1): 0,47.46 cw(c2.54,47.46) 2.54,50 87.46,50 cw(c87.46,47.46) 90,47.46 90,2.54 cw(c87.46,2.54) 87.46,0 2.54,0 cw(c2.54,2.54) 0,2.54

## Keep-outs
Keep-Out Layer:
  circle w0.25: c85,45 r2.5
  circle w0.25: c85,5 r2.5
  circle w0.25: c5,5 r2.5
  circle w0.25: c5,45 r2.5
  text ".Layer_Name" at 264.902,-46.311 h3.5

## Other copper
Top Layer:
  region net 3V3_AUX: 50.45,19.45 49.95,19.45 ccw(c49.95,19.1) 49.6,19.1 cw(c49.175,19.1) 49.175,18.675 48.95,18.675 48.95,18.175 49.55,18.175 cw(c49.55,18.125) 49.6,18.125 ccw(c49.775,18.125) 49.775,17.95 50.575,17.95
  text ".Layer_Name" at 264.902,-46.311 h3.5
Bottom Layer:
  pour cut-out: 70.602,6.96 70.602,7.666 cw(c73.142,7.666) 73.142,10.206 78.71,10.206 cw(c78.71,7.666) 81.25,7.666 81.25,6.96
  pour cut-out: 73.142,1.098 cw(c73.142,3.638) 70.602,3.638 70.602,6.96 cw(c73.142,6.96) 73.142,9.5 78.706,9.5 cw(c78.71,6.96) 81.25,6.96 81.25,3.638 cw(c78.71,3.638) 78.71,1.098
  pour cut-out: 2.308,8.446 cw(c2.308,9.545) 1.209,9.545 1.209,10.893 cw(c3.749,10.893) 3.749,13.433 11.817,13.433 cw(c11.817,11.5) 13.75,11.5 13.75,9.34 cw(c12.781,9.34) 12.781,8.371
  pour cut-out: 17.767,7.261 11.79,7.261 ccw(c11.79,4.721) 9.25,4.721 9.25,3.54 ccw(c11.79,3.54) 11.79,1 18.828,1 ccw(c18.828,3.54) 21.368,3.54 21.368,4.72 ccw(c18.828,4.72) 18.828,7.26 17.853,7.26
  region net ESP.IO27: 19,39 ccw(c18,39) 18,40 cw(c18,42) 16,42 16,46 ccw(c15,46) 15,47 10,47 ccw(c10,45) 8,45 8,44.54 cw(c5.46,44.54) 5.46,42 4,42 ccw(c4,40) 2,40 2,37 ccw(c4,37) 4,35 17,35 ccw(c17,37) 19,37
  region net ESP.IO14: 71,39 cw(c72,39) 72,40 ccw(c72,42) 74,42 74,46 cw(c75,46) 75,47 80,47 cw(c80,45) 82,45 82,44.54 ccw(c84.54,44.54) 84.54,42 86,42 cw(c86,40) 88,40 88,37 cw(c86,37) 86,35 73,35 cw(c73,37) 71,37
  region: 334 vertices and 0 holes, not listed, extent 71.711,2.207 80.093,4.533
  region: 20.127,4.6 20.109,4.6 20.109,4.583 20.144,4.582 20.144,4.6 20.144,4.617 20.127,4.617
  region: 570 vertices and 0 holes, not listed, extent 19.167,2.225 20.26,5.093
  region: 380 vertices and 0 holes, not listed, extent 18.065,4.635 20.127,6.093
  region: 638 vertices and 0 holes, not listed, extent 16.279,2.11 19.564,4.494
  region: 460 vertices and 0 holes, not listed, extent 16.354,4.149 18.157,6.151
  region: 2137 vertices and 5 holes, not listed, extent 2.318,9.466 12.715,12.341
  text ".Layer_Name" at 264.902,-46.311 h3.5

## Silkscreen, mask and mechanical layers (free items; w line width, h text height)
Top Overlay:
  drawing of 76 lines, arcs and shapes, not listed
  text "A" at 68.5,7.985 h3.5
  text "SELECT" at 37,3.398 h2
  text "START" at 47,3.398 h2
  text "B" at 58.5,2.985 h3.5
  text ".Layer_Name" at 264.902,-46.311 h3.5
Bottom Overlay:
  drawing of 138 lines, arcs and shapes, not listed
  text "IO27" at 17.5,47.296 h3.5
  text "IO14" at 82.75,47.296 h3.5
  text "A / B / Start / Select" at 65.75,31.25 h3.5
  text "+" at 59.205,18.735 h3.5
  text "VCC" at 78.82,17.165 h2 r90
  text "SCL" at 81.36,17.165 h2 r90
  text "SDA" at 83.9,17.165 h2 r90
  text "GND" at 86.44,17.165 h2 r90
  text "P2 / P12 / P11 / P10 / P0+1 / P5 / P4 / P7 / P9 / P3 / P8 / 4Ω" at 53.25,16.911 h3.5
  text "IO13 / IO12 / IO32 / IO36 / IO27+14 / IO39 / IO26 / IO15 / IO00 / IO34 / IO25 / 3W" at 44.424,16.62 h3.5
  text "-" at 59.033,15.735 h4
  text ".PCB_TITLE" at 64.25,10 h3 r7
  text "Wim" at 89,8 h2 r351
  text "Rev. .PCB_Rev" at 61.5,7.75 h3 r7
  text ".Layer_Name" at 264.902,-46.311 h3.5
Top Paste:
  text ".Layer_Name" at 264.902,-46.311 h3.5
Bottom Paste:
  text ".Layer_Name" at 264.902,-46.311 h3.5
Top Solder:
  text ".Layer_Name" at 264.902,-46.311 h3.5
Bottom Solder:
  text ".Layer_Name" at 264.902,-46.311 h3.5
Drill Guide:
  text ".Layer_Name" at 264.902,-46.311 h3.5
3D Symbols:
  text ".Layer_Name" at 264.902,-46.311 h3.5
Outline:
  the board outline again, w0.1
Comments:
  drawing of 1138 lines, arcs and shapes, not listed
  text ".Layer_Name" at 264.902,-46.311 h3.5
Fabrication:
  text "White Solder Mask" at -31,-7 h1.5
  text "Black Silkscreen" at -31,-10 h1.5
  text "1.6mm Thickness" at -31,-16 h1.5
  text ".Layer_Name" at 264.902,-46.311 h3.5
Placebound Top:
  text ".Layer_Name" at 264.902,-46.311 h3.5
Placebound Bottom:
  text ".Layer_Name" at 264.902,-46.311 h3.5
Frame:
  drawing of 15 lines, arcs and shapes, not listed
  text "Document" at 260.402,-31.311 h2
  text ".PCB_TITLE" at 261.902,-36.811 h3.2
  text "Layer Name" at 260.402,-41.311 h2
  text "Date" at 260.402,-51.311 h2
  text "Rev" at 300.402,-51.311 h2
  text ".Print_Date" at 263.402,-56.811 h3.5
  text ".PCB_REV" at 304.902,-56.811 h4
  text "Desginer" at 210.402,-61.311 h2
  text "Document" at 260.402,-61.311 h2
  text ".Pcb_File_Name_No_Path" at 261.902,-66.311 h1.5
  text ".PCB_ENGINEER" at 214.902,-66.811 h4
Assembly Top:
  text ".Layer_Name" at 264.902,-46.311 h3.5
Assembly Bottom:
  text ".Layer_Name" at 264.902,-46.311 h3.5
Drill Drawing:
  circle w0.15: c181.59,50.444 r0.444
  circle w0.15: c181.59,42.444 r0.267
  circle w0.15: c181.59,42.444 r0.444
  lines w0.15: 180.343,33.4 319.358,33.4 ; 180.343,53.4 319.358,53.4 ; 187.742,31.4 187.742,55.4 ; 194.973,31.4 194.973,55.4 ; 210.602,31.4 210.602,55.4 ; 217.4,31.4 217.4,55.4 ; 227.238,31.4 227.238,55.4 ; 247.265,31.4 247.265,55.4 ; 255.183,31.4 255.183,55.4 ; 269.745,31.4 269.745,55.4 ; 284.974,31.4 284.974,55.4 ; 300.603,31.4 300.603,55.4 ; 180.343,31.4 319.358,31.4 319.358,55.4 180.343,55.4 180.343,31.4 ; 181.146,34 182.035,34 182.035,34.889 181.146,34.889 181.146,34 ; 181.146,36.889 182.035,36.889 181.59,36 181.146,36.889 ; 181.146,38 181.59,38.222 182.035,38 181.812,38.444 182.035,38.889 181.59,38.667 181.146,38.889 181.368,38.444 181.146,38 ; 181.146,40 182.035,40 182.035,40.889 181.146,40.889 181.146,40 ; 181.146,44.222 181.368,44.222 181.59,44 181.812,44.222 182.035,44.222 181.812,44.444 182.035,44.667 181.812,44.667 181.59,44.889 181.368,44.667 181.146,44.667 181.368,44.444 181.146,44.222 ; 181.146,46.222 181.368,46.222 181.368,46 181.812,46 181.812,46.222 182.035,46.222 182.035,46.667 181.812,46.667 181.812,46.889 181.368,46.889 181.368,46.667 181.146,46.667 181.146,46.222 ; 181.146,48 181.146,48.222 181.368,48.444 181.146,48.667 181.146,48.889 181.368,48.889 181.59,48.667 181.812,48.889 182.035,48.889 182.035,48.667 181.812,48.444 182.035,48.222 182.035,48 181.812,48 181.59,48.222 181.368,48 181.146,48 ; 181.146,52.444 181.59,52 182.035,52.444 181.59,52.889 181.146,52.444 ; 181.324,34.178 181.857,34.178 181.857,34.711 181.324,34.711 181.324,34.178
  text "Symbol" at 181.543,54 h0.96
  text "Count" at 188.342,54 h0.96
  text "Hole Size" at 195.573,54 h0.96
  text "Plated" at 211.202,54 h0.96
  text "Hole Type" at 218,54 h0.96
  text "Drill Layer Pair" at 227.838,54 h0.96
  text "Via/Pad" at 247.865,54 h0.96
  text "Pad Shape" at 255.783,54 h0.96
  text "Template" at 270.345,54 h0.96
  text "Hole Length" at 285.574,54 h0.96
  text "Routed Path Length" at 301.203,54 h0.96
  text "2" at 188.342,52 h0.8
  text "0,500mm (19,69mil)" at 195.573,52 h0.8
  text "PTH" at 211.202,52 h0.8
  text "Slot" at 218,52 h0.8
  text "Top Layer - Bottom Layer" at 227.838,52 h0.8
  text "Pad" at 247.865,52 h0.8
  text "Rounded Rectangle" at 255.783,52 h0.8
  text "r110_550h50_180r50" at 270.345,52 h0.8
  text "1,800mm (70,87mil)" at 285.574,52 h0.8
  text "1,300mm (51,18mil)" at 301.203,52 h0.8
  text "2" at 188.342,50 h0.8
  text "1,000mm (39,37mil)" at 195.573,50 h0.8
  text "NPTH" at 211.202,50 h0.8
  text "Round" at 218,50 h0.8
  text "Top Layer - Bottom Layer" at 227.838,50 h0.8
  text "Pad" at 247.865,50 h0.8
  text "Rounded" at 255.783,50 h0.8
  text "c0hn100" at 270.345,50 h0.8
  text "-" at 285.574,50 h0.8
  text "-" at 301.203,50 h0.8
  text "2" at 188.342,48 h0.8
  text "1,600mm (62,99mil)" at 195.573,48 h0.8
  text "NPTH" at 211.202,48 h0.8
  text "Round" at 218,48 h0.8
  text "Top Layer - Bottom Layer" at 227.838,48 h0.8
  text "Pad" at 247.865,48 h0.8
  text "Rounded" at 255.783,48 h0.8
  text "c160hn160" at 270.345,48 h0.8
  text "-" at 285.574,48 h0.8
  text "-" at 301.203,48 h0.8
  text "2" at 188.342,46 h0.8
  text "1,800mm (70,87mil)" at 195.573,46 h0.8
  text "PTH" at 211.202,46 h0.8
  text "Slot" at 218,46 h0.8
  text "Top Layer - Bottom Layer" at 227.838,46 h0.8
  text "Pad" at 247.865,46 h0.8
  text "Rounded Rectangle" at 255.783,46 h0.8
  text "(Mixed)" at 270.345,46 h0.8
  text "3,500mm (137,79mil)" at 285.574,46 h0.8
  text "1,700mm (66,93mil)" at 301.203,46 h0.8
  text "4" at 188.342,44 h0.8
  text "1,200mm (47,24mil)" at 195.573,44 h0.8
  text "PTH" at 211.202,44 h0.8
  text "Round" at 218,44 h0.8
  text "Top Layer - Bottom Layer" at 227.838,44 h0.8
  text "Pad" at 247.865,44 h0.8
  text "(Mixed)" at 255.783,44 h0.8
  text "(Mixed)" at 270.345,44 h0.8
  text "-" at 285.574,44 h0.8
  text "-" at 301.203,44 h0.8
  text "4" at 188.342,42 h0.8
  text "3,200mm (125,98mil)" at 195.573,42 h0.8
  text "NPTH" at 211.202,42 h0.8
  text "Round" at 218,42 h0.8
  text "Top Layer - Bottom Layer" at 227.838,42 h0.8
  text "Pad" at 247.865,42 h0.8
  text "Rounded" at 255.783,42 h0.8
  text "c320hn320m420" at 270.345,42 h0.8
  text "-" at 285.574,42 h0.8
  text "-" at 301.203,42 h0.8
  text "6" at 188.342,40 h0.8
  text "0,900mm (35,43mil)" at 195.573,40 h0.8
  text "PTH" at 211.202,40 h0.8
  text "Round" at 218,40 h0.8
  text "Top Layer - Bottom Layer" at 227.838,40 h0.8
  text "Pad" at 247.865,40 h0.8
  text "(Mixed)" at 255.783,40 h0.8
  text "(Mixed)" at 270.345,40 h0.8
  text "-" at 285.574,40 h0.8
  text "-" at 301.203,40 h0.8
  text "7" at 188.342,38 h0.8
  text "1,000mm (39,37mil)" at 195.573,38 h0.8
  text "PTH" at 211.202,38 h0.8
  text "Round" at 218,38 h0.8
  text "Top Layer - Bottom Layer" at 227.838,38 h0.8
  text "Pad" at 247.865,38 h0.8
  text "(Mixed)" at 255.783,38 h0.8
  text "(Mixed)" at 270.345,38 h0.8
  text "-" at 285.574,38 h0.8
  text "-" at 301.203,38 h0.8
  text "18" at 188.342,36 h0.8
  text "1,100mm (43,31mil)" at 195.573,36 h0.8
  text "PTH" at 211.202,36 h0.8
  text "Round" at 218,36 h0.8
  text "Top Layer - Bottom Layer" at 227.838,36 h0.8
  text "Pad" at 247.865,36 h0.8
  text "Rounded" at 255.783,36 h0.8
  text "(Mixed)" at 270.345,36 h0.8
  text "-" at 285.574,36 h0.8
  text "-" at 301.203,36 h0.8
  text "26" at 188.342,34 h0.8
  text "0,300mm (11,81mil)" at 195.573,34 h0.8
  text "PTH" at 211.202,34 h0.8
  text "Round" at 218,34 h0.8
  text "Top Layer - Bottom Layer" at 227.838,34 h0.8
  text "Via" at 247.865,34 h0.8
  text "Rounded" at 255.783,34 h0.8
  text "v70h30m0mx60" at 270.345,34 h0.8
  text "-" at 285.574,34 h0.8
  text "-" at 301.203,34 h0.8
  text "73 Total" at 188.342,32 h0.8
  text "Slot definitions :" at 181.543,30.034 h0.8
  text "Routed Path Length" at 195.359,30.034 h0.8
  text "= Calculated from tool start centre position to tool end centre position." at 210.108,30.034 h0.8
  text "Hole Length" at 195.359,28.667 h0.8
  text "= Routed Path Length + Tool Size = Slot length as defined in the PCB layout" at 204.643,28.667 h0.8
  text ".Layer_Name" at 264.902,-46.311 h3.5
Panel:
  text ".Layer_Name" at 264.902,-46.311 h3.5

## Dimensions
90,5 to 0,5 on Fabrication
5,50 to 5,0 on Fabrication

## Text inside footprints (layer, text, board x,y; h text height)
J1: Comments "uSD CARD" at 93.4,18.05 h1.2 r90
P1: Comments "Insert PCB with contacts facing towards SMD pads" at 16.6,42.35 h0.8
P2: Comments "Insert PCB with contacts facing away from PCB" at 16.6,47.85 h0.8